# Allegro board STARRYSKY.brd (continued)
## Routing (per net, layer and track width the routed paths; a pad name or vN(x,y) marks a point on that pad's centre or on a via; arc(x,y) is an arc through that point) (continued)
PLL_CFG1: length 66.5
  TOP w0.203: U3.102 v1(50.13,55.12) ; v1(89.63,35.4) SW4.6
  ART06 w0.203: v1(50.13,55.12) 50.13,57.15 52.28,59.29 60.28,59.29 61.89,57.69 73.74,57.69 74.45,56.98 76.03,56.98 76.56,57.51 83.06,57.51 90.8,49.77 90.8,45.25 90.05,44.5 90.05,35.82 v1(89.63,35.4)
PLL_CFG2: length 69.4
  TOP w0.203: v1(68.84,58.23) 68.51,57.9 68.51,54.32 68.89,53.95 71.38,53.95 72.03,53.3 72.03,50.45 72.79,49.68 75.21,49.68 75.87,50.34 78.08,50.34 80.01,48.41 80.01,46.55 82.39,44.17 82.39,40.32 84.35,38.36 v1(84.35,37.28) ; U3.103 v1(49.63,54.11) ; R21.1 SW4.7 88.36,33.14 87.8,32.58 v1(86.13,32.58)
  ART03 w0.203: v1(84.35,37.28) 84.88,36.75 84.88,33.83 v1(86.13,32.58)
  ART06 w0.203: v1(68.84,58.23) 68.24,58.83 62.58,58.83 60.89,60.52 52.51,60.52 49.63,57.64 v1(49.63,54.11)
PROG_SEL: length 31.1
  TOP w0.203: U7.6 47.69,11.32 ; 47.69,11.32 47.69,14.28 47.02,14.95 44.9,14.95 44.27,14.33 SW8.2 44.27,12.5 43.63,11.86 U9.6 ; 47.69,11.32 v1(47.7,11.31) ; U10.6 v1(42.87,8.55) ; U12.6 v1(42.87,5.78) 42.87,6.06 43.13,6.31 46.13,6.31 46.66,5.78 U11.6 48.53,5.78 49.36,6.61 49.36,8.02 48.77,8.61 v1(47.79,8.61) 47.72,8.55 U14.6
  ART03 w0.203: v1(47.79,8.61) 46.86,9.54 46.86,10.93 47.24,11.31 v1(47.7,11.31) ; v1(42.87,8.55) 42.34,8.01 42.34,6.32 v1(42.87,5.78)
PS2_CLK: length 11.4
  TOP w0.203: U25.4 62.06,70.83 61.63,70.4 59.97,70.4 59.44,70.93 57.38,70.93 56.7,70.25 56.7,67.41 57.72,66.39 U45.4
PS2_DAT: length 8.4
  TOP w0.203: U25.5 v1(65.03,70.83) ; U44.4 v1(61.12,65.94)
  ART03 w0.203: v1(61.12,65.94) 63.03,67.85 63.03,69.28 64.58,70.83 v1(65.03,70.83)
PS_MIO2: length 5.2
  TOP w0.203: R82.2 v1(27.28,50.69)
  BOTTOM w0.203: v1(27.28,50.69) 27.77,50.2 27.77,47.79 28.4,47.15 J25.A32
PS_MIO3: length 4.8
  TOP w0.203: R80.2 v1(27.28,49.69)
  BOTTOM w0.203: v1(27.28,49.69) 27.28,47.52 28.04,46.75 J25.A31
PS_MIO4: length 28.6
  TOP w0.203: SW13.3 v1(32.55,33.56) 32.07,34.04 30.91,34.04 30.46,33.59 30.46,30.88 32.12,29.22 R67.1
  ART03 w0.203: v1(27.64,46.49) 29.31,46.49 31.59,44.21 31.59,34.52 v1(32.55,33.56)
  BOTTOM w0.203: J25.A30 27.77,46.35 v1(27.64,46.49)
PS_MIO5: length 21.3
  TOP w0.203: R66.1 32.52,30.22 31.28,31.46 SW13.4 v1(31.28,33.56)
  ART03 w0.203: v1(27.94,44.95) 29.92,44.95 30.82,44.05 30.82,34.02 v1(31.28,33.56)
  BOTTOM w0.203: v1(27.94,44.95) 28.55,45.55 J25.A28
PS_MIO6: length 6.6
  TOP w0.203: R79.2 v1(31.75,49.66)
  BOTTOM w0.203: v1(31.75,49.66) 31.75,48.87 29.76,46.89 29.76,45.36 29.56,45.15 J25.A27
PS_MIO7: length 8
  TOP w0.203: R78.2 v1(33.55,49.66)
  BOTTOM w0.203: v1(33.55,49.66) 33.12,49.23 32.77,49.23 30.21,46.67 30.21,45.26 29.71,44.75 J25.A26
PS_MIO8: length 10.8
  TOP w0.203: R76.2 v1(36.17,49.66)
  BOTTOM w0.203: J25.A25 29.93,44.35 30.68,45.1 30.68,46.51 32.51,48.34 34.84,48.34 v1(36.17,49.66)
PS_MIO28: length 11.8
  TOP w0.203: v1(26.58,46.71) 27.04,46.71 27.26,46.93 27.26,48.87 27.05,49.07 26.18,49.07 25.97,48.86 25.97,46.55 25.54,46.12 U23.7
  BOTTOM w0.203: J25.B23 26.16,43.55 26.39,43.78 26.39,45.17 27.02,45.8 27.02,46.27 v1(26.58,46.71)
PS_MIO29: length 12.1
  TOP w0.203: v1(23.64,41.6) 23.64,41.79 23.66,41.81 U23.31
  BOTTOM w0.203: J25.B22 23.89,43.15 23.74,43.01 22.67,43.01 22.47,42.8 22.47,42.3 22.27,42.09 21.86,42.09 21.66,42.3 21.66,42.94 21.45,43.14 20.96,43.14 20.77,42.95 20.77,41.41 21.07,41.11 23.15,41.11 v1(23.64,41.6)
PS_MIO30: length 13.7
  TOP w0.203: U23.29 v1(22.66,41.61)
  BOTTOM w0.203: v1(22.66,41.61) 23.17,42.12 23.97,42.12 24.23,41.85 24.23,41.37 23.58,40.72 23.58,40.43 23.29,40.13 22.91,40.13 22.9,40.14 22.81,40.14 22.51,40.44 21.82,40.44 21.61,40.22 21.61,39.91 21.84,39.68 23.95,39.68 24.66,40.38 24.66,42.49 24.92,42.75 J25.B21
PS_MIO31: length 14.1
  TOP w0.203: U23.2 25.43,43.62 25.55,43.49 25.55,41.72 26.17,41.11 26.5,41.11 26.74,41.35 26.74,41.65 25.98,42.41 25.98,43.53 26.12,43.68 26.57,43.68 26.82,43.42 v1(26.82,42.96)
  BOTTOM w0.203: v1(26.82,42.96) 27.15,43.29 27.15,43.54 27.44,43.83 27.44,44.89 27.24,45.08 26.97,45.08 26.77,44.89 26.77,43.63 26.36,43.22 26.36,42.56 26.16,42.35 J25.B20
PS_MIO32: length 11.8
  TOP w0.203: U23.3 26.8,44.12 27.32,43.6 27.32,42.73 27.02,42.43 27.02,42.06 27.23,41.84 27.63,41.84 27.95,42.16 v1(27.95,42.99)
  BOTTOM w0.203: J25.B18 26.17,41.55 27.49,42.88 27.49,43.26 27.86,43.63 27.86,44.12 27.99,44.26 28.19,44.26 28.32,44.12 28.32,43.36 v1(27.95,42.99)
PS_MIO33: length 11.7
  TOP w0.203: U23.4 27,44.62 28.4,43.22 28.4,41.99 27.67,41.25 v1(27.21,41.25)
  BOTTOM w0.203: J25.B17 26.42,41.15 27.77,42.51 28.1,42.51 28.3,42.31 28.3,41.89 27.67,41.25 v1(27.21,41.25)
PS_MIO34: length 12.7
  TOP w0.203: U23.5 27,45.12 28.77,43.35 28.77,41.72 v1(27.9,40.86)
  BOTTOM w0.203: J25.B16 27.32,40.75 27.65,40.43 27.65,39.51 27.81,39.35 28.13,39.35 28.33,39.55 28.33,40.43 v1(27.9,40.86)
PS_MIO35: length 11.7
  TOP w0.203: U23.6 26.17,45.62 26.3,45.49 27.18,45.49 27.26,45.41 28.21,45.41 28.46,45.15 28.46,44.53 29.15,43.85 29.15,41.25 28.14,40.25 v1(27.18,40.25)
  BOTTOM w0.203: J25.B15 26.62,40.35 26.72,40.25 v1(27.18,40.25)
PS_MIO36: length 11.8
  TOP w0.203: v1(26.81,39.55) 29.06,39.55 29.2,39.41 29.2,38.09 29.05,37.94 28.36,37.94 28.16,38.14 28.16,38.93 27.95,39.13 27.55,39.13 27.34,38.93 27.34,38.14 27.14,37.94 26.19,37.94 25.94,38.19 25.94,39.08 26.1,39.24 R99.1
  BOTTOM w0.203: J25.B13 v1(26.81,39.55)
PS_MIO37: length 12.2
  TOP w0.203: v1(24.47,48.13) 24.16,47.81 U23.9
  ART03 w0.203: v1(24.86,38.98) 24.86,44.67 24.66,44.87 24.35,44.87 24.14,45.08 24.14,45.48 24.35,45.69 24.66,45.69 24.86,45.89 24.86,46.44 24.37,46.93 24.37,47.22 24.47,47.32 v1(24.47,48.13)
  BOTTOM w0.203: v1(24.86,38.98) 25.03,39.15 J25.B12
PS_MIO38: length 13.4
  TOP w0.203: U23.10 23.66,48 v1(23.82,48.16)
  ART03 w0.203: v1(26.53,38.75) 25.67,39.62 25.67,47.82 24.83,48.66 24.33,48.66 v1(23.82,48.16)
  BOTTOM w0.203: J25.B11 v1(26.53,38.75)
PS_MIO39: length 13
  TOP w0.203: v1(22.32,48.16) 22.16,48 U23.13
  ART03 w0.203: v1(24.69,38.35) 24.23,38.35 23.6,38.98 23.6,40.85 23.15,41.3 23.15,46.71 22.32,47.54 v1(22.32,48.16)
  BOTTOM w0.203: J25.B10 v1(24.69,38.35)
PS_MIO40: length 10
  TOP w0.203: R87.1 v1(25.15,32.5)
  BOTTOM w0.203: J25.B8 26.63,37.55 27.34,36.85 27.34,34.99 28.32,34.01 28.32,33.09 27.73,32.5 v1(25.15,32.5)
PS_MIO41: length 11.3
  TOP w0.203: U19.6 v1(20.84,31.85)
  BOTTOM w0.203: v1(20.84,31.85) 19.83,32.86 19.83,34.62 22.37,37.15 J25.B7
PS_MIO42: length 8.9
  TOP w0.203: U19.8 v1(20.84,33.15)
  BOTTOM w0.203: J25.B6 22.75,36.75 20.35,34.35 20.35,33.64 v1(20.84,33.15)
PS_MIO43: length 8.8
  TOP w0.203: U19.9 v1(20.84,33.8)
  BOTTOM w0.203: J25.B5 23.39,36.35 22.02,34.99 22.02,34.7 22.51,34.22 22.51,33.93 22.22,33.64 21.93,33.64 21.45,34.13 21.16,34.13 v1(20.84,33.8)
PS_MIO44: length 9.9
  TOP w0.203: U19.4 v1(20.84,30.55)
  BOTTOM w0.203: J25.B3 26.25,35.55 26.46,35.35 26.46,34.65 22.35,30.55 v1(20.84,30.55)
PS_MIO45: length 9.8
  TOP w0.203: U19.5 v1(20.84,31.2)
  BOTTOM w0.203: J25.B2 24.79,35.15 23.28,33.65 23.28,33.36 23.54,33.1 23.54,32.82 23.25,32.53 22.96,32.53 22.71,32.78 22.42,32.78 22.13,32.5 22.13,32.21 22.39,31.95 22.39,31.67 22.1,31.38 21.81,31.38 21.56,31.63 21.27,31.63 v1(20.84,31.2)
PS_MIO46: length 12.7
  TOP w0.203: R92.2 v1(21.1,40.59) 21.1,41.07 21.66,41.64 U23.27
  ART03 w0.203: v1(21.1,40.59) 21.6,40.09 21.6,36.55 23.85,34.31 v1(25.36,34.31)
  BOTTOM w0.203: v1(25.36,34.31) 25.36,34.58 25.53,34.75 J25.B1
PS_MIO47: length 23.2
  ART03 w0.203: v1(14.24,35.07) 16.62,32.7 24.56,32.7 28,36.14 v1(28,37.41)
  BOTTOM w0.203: v1(14.24,35.07) 14.7,35.07 15.48,35.86 15.48,38.17 15.11,38.55 J7.9 ; v1(28,37.41) 28.15,37.55 J25.A8
PS_MIO48: length 31.1
  TOP w0.203: U20.5 v1(19.67,61.91)
  ART06 w0.203: v1(19.67,61.91) 20.2,61.91 26.02,56.09 26.02,49.5 28.96,46.56 28.96,41.98 30.32,40.63 v1(30.32,37.91)
  BOTTOM w0.203: v1(30.32,37.91) 29.56,37.15 J25.A7
PS_MIO49: length 31.9
  TOP w0.203: U20.4 v1(19.67,60.32)
  ART06 w0.203: v1(30.36,36.94) 29.73,36.94 29.2,37.47 29.2,40.92 28.43,41.7 28.43,46.36 27.56,47.22 26.41,47.22 25.54,48.1 25.54,55.84 21.06,60.32 v1(19.67,60.32)
  BOTTOM w0.203: J25.A6 29.72,36.75 29.9,36.94 v1(30.36,36.94)
PS_MIO51: length 20.5
  TOP w0.203: R83.2 19.39,24.29 19.6,24.49 Q1.1 19.7,25.23 20.23,25.76 20.23,27.4 20.77,27.94 24.88,27.94 26.56,29.62 26.56,34.15 28.29,35.88 29.36,35.88 v1(29.69,35.55)
  BOTTOM w0.203: J25.A3 v1(29.69,35.55)
PS_MIO52: length 15.4
  TOP w0.203: v1(28.34,35.15) 27.99,34.8 27.99,34.78 27.47,34.27 27.47,29.59 26.89,29 R85.1 SW15.3 SW15.4
  BOTTOM w0.203: J25.A2 v1(28.34,35.15)
PS_MIO53: length 19.5
  TOP w0.203: v1(29.69,34.75) 28.8,33.87 28.8,25.89 26.89,23.97 R88.1 SW16.3 SW16.4
  BOTTOM w0.203: J25.A1 v1(29.69,34.75)
PS_SD_CLK: length 2.1
  TOP w0.203: U19.14 14.67,32.5 R70.1
PS_SD_CMD: length 19
  TOP w0.203: U19.15 15.02,31.85 v1(14.24,31.07)
  BOTTOM w0.203: v1(14.24,31.07) 13.53,31.07 12.47,32.13 12.47,43.75 13.87,45.15 J7.3
PS_SD_D0: length 17.8
  TOP w0.203: v1(14.24,33.07) 15.08,33.07 15.16,33.15 U19.13
  BOTTOM w0.203: J7.7 15.69,40.75 15.88,40.94 18.35,40.94 19.77,39.52 19.77,35.95 16.89,33.07 v1(14.24,33.07)
PS_SD_D1: length 20.5
  TOP w0.203: v1(14.24,34.07) 14.89,34.07 15.16,33.8 U19.12
  BOTTOM w0.203: J7.8 15.69,39.65 15.98,39.94 18.3,39.94 18.91,39.32 18.91,38.71 18.71,38.51 17.78,38.51 17.58,38.31 17.58,37.9 17.78,37.7 18.71,37.7 18.91,37.49 18.91,37.16 18.02,36.27 17.73,36.27 16.67,37.33 16.39,37.33 16.1,37.04 16.1,36.75 17.16,35.7 17.16,35.41 16.73,34.98 16.73,34.52 16.16,33.95 14.82,33.95 14.7,34.07 v1(14.24,34.07)
PS_SD_D2: length 24.2
  TOP w0.203: U19.17 15.45,30.55 14.83,29.93 14.83,29.67 v1(14.24,29.07)
  BOTTOM w0.203: v1(14.24,29.07) 13.78,29.07 11.48,31.37 11.48,44.9 13.93,47.35 J7.1
PS_SD_D3: length 21.5
  TOP w0.203: U19.16 15.37,31.2 v1(14.24,30.07)
  BOTTOM w0.203: J7.2 13.93,46.25 11.96,44.28 11.96,31.77 13.66,30.07 v1(14.24,30.07)
PS_SRST_B: length 21.8
  TOP w0.203: v1(41.01,28.98) R69.2 41.52,29.6 41.79,29.86 SW12.1 SW12.2 37.63,30.35 C83.1
  BOTTOM w0.203: v1(41.01,28.98) 43.91,28.98 44.3,29.37 53.22,29.37 53.71,28.88 J24.B49
PS_UART_DN: length 8.3
  TOP w0.203: J9.B7 6.37,61.76 6.17,61.56 6.17,60.97 6.37,60.76 J9.A7 8.57,60.76 8.67,60.86 8.96,60.86 9.31,60.51 U22.5
PS_UART_DP: length 7.7
  TOP w0.203: J9.B6 v1(6.64,60.26) ; v1(6.64,61.26) J9.A6 8.57,61.26 8.67,61.17 9.08,61.17 9.43,60.82 11.13,60.82 11.33,61.01 U22.4
  ART03 w0.203: v1(6.64,61.26) v1(6.64,60.26)
PS_USB_DN: length 13.4
  TOP w0.203: U23.19 19.24,45.62 19.04,45.81 19.04,46.01 17.84,47.21 12.35,47.21 12.09,46.95 12.09,45.54 12.29,45.34 12.58,45.34 12.78,45.54 12.78,45.98 12.99,46.19 J10.2
PS_USB_DP: length 14.2
  TOP w0.203: U23.18 19.37,46.12 17.97,47.52 12.22,47.52 11.78,47.08 11.78,45.42 12.17,45.03 12.58,45.03 12.78,44.83 12.78,44.39 12.99,44.19 J10.3
SOC_PS2_CLK: length 37.4
  TOP w0.203: U45.3 57.72,63.33 59.23,61.82 62.18,61.82 66.38,57.62 66.38,53.26 61.88,48.76 61.88,39.29 63.79,37.38 U3.45
SOC_PS2_DAT: length 35
  TOP w0.203: U3.46 64,37.88 62.4,39.48 62.4,48.57 66.88,53.05 66.88,57.98 62.6,62.26 60.87,62.26 60.26,62.88 U44.3
SOC_SDRAM_ADDR00: length 45.3
  TOP w0.203: U3.115 v1(43.75,47.88) ; U5.H7 v1(75.33,31.68)
  ART06 w0.203: v1(75.33,31.68) 75.88,32.23 75.88,32.73 75.64,32.97 74.48,32.97 74.24,33.2 69.6,33.2 69.32,32.92 68.63,32.92 68.05,33.5 67.46,33.5 67.09,33.87 62.36,33.87 53.34,42.89 44.37,42.89 42.73,44.53 42.73,45.48 43.75,46.5 v1(43.75,47.88)
SOC_SDRAM_ADDR01: length 37.9
  TOP w0.203: U3.10 51.63,30.32 51.43,30.11 50.76,30.11 v1(48.81,28.17) ; v1(77.08,30.77) 76.92,30.92 76.92,31.68 U5.H8
  ART03 w0.203: v1(48.81,28.17) 50.66,26.32 73.92,26.32 77.08,29.47 v1(77.08,30.77)
SOC_SDRAM_ADDR02: length 35
  TOP w0.203: U3.11 52.13,30.24 51.57,29.67 51.03,29.67 v1(49.51,28.16) ; v1(76.59,30.21) 76.59,31.22 U5.J8
  ART03 w0.203: v1(76.59,30.21) 76.59,29.75 73.69,26.85 50.81,26.85 v1(49.51,28.16)
SOC_SDRAM_ADDR03: length 32.8
  TOP w0.203: U3.12 52.63,30.21 51.64,29.23 51.42,29.23 v1(50.31,28.11) ; U5.J7 v1(76.13,30.88)
  ART03 w0.203: v1(76.13,30.88) 76.13,30.2 73.37,27.44 50.98,27.44 v1(50.31,28.11)
SOC_SDRAM_ADDR04: length 28.5
  TOP w0.203: v1(51.12,28.12) 53.13,30.12 U3.13 ; v1(72.18,30.35) 72.18,30.93 U5.J3
  ART06 w0.203: v1(72.18,30.35) 72.18,29.68 69.5,27 52.24,27 v1(51.12,28.12)
SOC_SDRAM_ADDR05: length 26.4
  TOP w0.203: v1(71.38,30.35) 71.38,30.93 U5.J2 ; v1(51.91,28.08) 52.24,28.4 52.24,28.67 53.63,30.07 U3.14
  ART06 w0.203: v1(51.91,28.08) 52.11,27.87 52.11,27.86 52.38,27.59 69.41,27.59 71.38,29.56 v1(71.38,30.35)
SOC_SDRAM_ADDR06: length 25.1
  TOP w0.203: U3.15 54.13,30.27 53.99,30.13 53.99,29.7 v1(53.77,29.47) ; U5.H3 v1(72.93,32.48)
  ART06 w0.203: v1(53.77,29.47) 53.77,30.92 55.92,33.08 67.62,33.08 68.29,32.42 69.63,32.42 69.99,32.78 70.71,32.78 71.54,31.95 72.4,31.95 v1(72.93,32.48)
SOC_SDRAM_ADDR07: length 27.2
  TOP w0.203: v1(73.77,31.68) 72.07,31.68 71.73,32.02 U5.H2 ; v1(54.45,29.94) 54.63,30.12 U3.16
  ART03 w0.203: v1(67.21,32.61) 67.53,32.29 69.37,32.29 70.26,33.18 73.96,33.18 74.27,32.87 74.27,32.18 v1(73.77,31.68)
  ART06 w0.203: v1(54.45,29.94) 54.45,30.75 56.31,32.61 v1(67.21,32.61)
SOC_SDRAM_ADDR08: length 20
  TOP w0.203: v1(67.47,30.62) 67.79,30.29 69.14,30.29 U5.H1 ; v1(55.37,30.01) 55.13,30.25 U3.17
  ART06 w0.203: v1(55.37,30.01) 55.37,30.65 56.85,32.12 66.42,32.12 67.47,31.07 v1(67.47,30.62)
SOC_SDRAM_ADDR09: length 20.1
  TOP w0.203: v1(56.08,30.01) 55.63,30.46 U3.18 ; U5.G3 72.13,32.48 v1(72.13,32.4)
  ART03 w0.203: v1(72.13,32.4) 71.18,31.46 66.16,31.46 v1(65.58,30.88)
  ART06 w0.203: v1(65.58,30.88) 64.81,31.64 57.25,31.64 56.08,30.47 v1(56.08,30.01)
SOC_SDRAM_ADDR10: length 25.1
  TOP w0.203: U5.H9 v1(77.73,31.68) ; U3.23 58.13,29.99 58.77,29.35 58.77,29.19 v1(58.81,29.15)
  ART03 w0.203: v1(77.73,31.68) 77.37,32.04 76.46,32.04 75.54,31.12 75.54,30.4 73.12,27.98 59.39,27.98 58.81,28.56 v1(58.81,29.15)
SOC_SDRAM_ADDR11: length 22
  TOP w0.203: U5.G2 72.13,33.28 73.25,33.28 v1(73.78,32.75) ; U3.24 v1(58.63,30.15)
  ART06 w0.203: v1(58.63,30.15) 59.14,30.66 64.27,30.66 66.09,28.84 68.31,28.84 68.79,29.32 68.79,29.94 70.21,31.36 72.73,31.36 73.46,32.09 73.46,32.42 v1(73.78,32.75)
SOC_SDRAM_ADDR12: length 18.2
  TOP w0.203: v1(70.34,32.35) 70.39,32.35 U5.G1 ; v1(59.16,29.68) 59.16,30.14 59.13,30.17 U3.25
  ART06 w0.203: v1(59.16,29.68) 58.41,29.68 58.11,29.98 58.11,30.47 58.82,31.17 64.5,31.17 65.7,29.98 67.97,29.98 v1(70.34,32.35)
SOC_SDRAM_BA0: length 20.1
  TOP w0.203: U3.26 v1(59.63,30.15) ; U5.G7 v1(75.33,32.48)
  ART06 w0.203: v1(75.33,32.48) 73.68,30.83 71.23,30.83 68.59,28.2 64.31,28.2 62.81,29.7 60.09,29.7 v1(59.63,30.15)
SOC_SDRAM_BA1: length 24.5
  TOP w0.203: U5.G8 v1(76.93,32.48) ; v1(59.56,29.15) 59.88,29.47 59.88,29.72 60.13,29.97 U3.27
  ART03 w0.203: v1(59.56,29.15) 59.56,28.68 59.76,28.49 72.93,28.49 74.8,30.35 74.8,32.81 75,33.01 75.62,33.01 76.15,32.48 v1(76.93,32.48)
SOC_SDRAM_CAS: length 40.8
  TOP w0.203: U3.119 43.93,45.88 43.25,45.2 v1(43.25,44.74) ; U5.F7 v1(76.13,33.28)
  ART06 w0.203: v1(43.25,44.74) 43.71,44.74 43.88,44.57 54.07,44.57 62.79,35.85 70.39,35.85 71.72,34.53 73.14,34.53 74.06,33.6 75.8,33.6 v1(76.13,33.28)
SOC_SDRAM_CKE: length 33
  TOP w0.203: U3.124 46.26,43.38 46.26,43.38 46.51,43.38 v1(46.97,43.38) ; U5.F3 v1(72.93,34.08)
  ART06 w0.203: v1(72.93,34.08) 72.45,33.61 70.43,33.61 69.67,34.36 68.49,34.36 68.05,33.92 67.67,33.92 67.23,34.36 62.7,34.36 53.68,43.38 v1(46.97,43.38)
SOC_SDRAM_CLK: length 31
  TOP w0.203: U3.123 v1(46.36,43.88) ; U5.F2 v1(71.33,34.08)
  ART06 w0.203: v1(46.36,43.88) 46.81,43.88 46.98,44.04 53.83,44.04 63.04,34.84 68.05,34.84 68.06,34.82 69.9,34.82 70.64,34.08 v1(71.33,34.08)
SOC_SDRAM_CS: length 45.2
  TOP w0.203: U5.G9 v1(77.73,32.48) ; U3.121 46.65,44.88 48.11,46.34 v1(48.11,46.8)
  ART06 w0.203: v1(48.11,46.8) 54.72,46.8 63.73,37.8 67.91,37.8 69.7,39.59 71.22,39.59 72.14,38.67 73.15,38.67 74.03,37.79 77.83,37.79 78.25,37.37 78.25,33.01 v1(77.73,32.48)
SOC_SDRAM_DATA00: length 27.1
  TOP w0.203: v1(77.07,38.28) 77.07,38.22 U5.A8 ; U3.28 60.63,29.91 60.33,29.61 v1(60.33,29.15)
  ART03 w0.203: v1(60.33,29.15) 60.33,33.09 66.86,39.62 71.27,39.62 72.21,38.67 73.03,38.67 73.42,38.28 v1(77.07,38.28)
SOC_SDRAM_DATA01: length 24.3
  TOP w0.203: U3.29 v1(61.13,30.15) ; U5.B9 v1(77.73,37.28)
  ART03 w0.203: v1(77.73,37.28) 77.17,37.84 73.3,37.84 73.11,37.65 72.46,37.65 71.57,38.53 66.47,38.53 61.13,33.19 v1(61.13,30.15)
SOC_SDRAM_DATA02: length 24.8
  TOP w0.203: U3.30 v1(61.63,29.23) ; U5.B8 v1(76.93,37.28)
  ART03 w0.203: v1(61.63,29.23) 61.63,32.74 66.43,37.54 68.41,37.54 68.87,38 69.88,38 70.69,37.2 71.34,37.2 71.82,36.72 72.18,36.72 72.64,37.18 74.35,37.18 74.63,36.9 75.07,36.9 75.58,37.41 76.34,37.41 76.47,37.28 v1(76.93,37.28)
SOC_SDRAM_DATA03: length 22.3
  TOP w0.203: U3.31 v1(62.13,30.15) ; U5.C9 v1(77.73,36.48)
  ART03 w0.203: v1(62.13,30.15) 62.13,32.37 66.33,36.58 69.73,36.58 70.31,36 72.38,36 72.9,36.51 73.27,36.51 73.37,36.41 75.34,36.41 75.87,36.94 76.31,36.94 76.44,36.8 77.4,36.8 v1(77.73,36.48)
SOC_SDRAM_DATA04: length 21.5
  TOP w0.203: U3.32 v1(62.63,29.23) ; U5.C8 v1(76.13,36.48)
  ART03 w0.203: v1(62.63,29.23) 62.63,32.03 66.44,35.84 69.8,35.84 70.09,35.55 75.81,35.55 76.19,35.93 76.19,36.41 v1(76.13,36.48)
SOC_SDRAM_DATA05: length 20.4
  TOP w0.203: U5.D9 v1(77.73,35.68) ; U3.33 v1(63.13,30.15)
  ART03 w0.203: v1(63.13,30.15) 63.13,31.72 66.24,34.84 69.27,34.84 69.4,34.7 69.69,34.7 70.08,35.09 76.12,35.09 76.56,35.53 76.56,35.93 76.84,36.2 77.21,36.2 v1(77.73,35.68)
SOC_SDRAM_DATA06: length 19.2
  TOP w0.203: v1(64.17,30.11) 63.77,30.11 63.63,30.25 U3.34 ; v1(77,35.69) 76.94,35.69 U5.D8
  ART03 w0.203: v1(77,35.69) 77,35.19 76.39,34.59 70.9,34.59 69.14,32.83 68.01,32.83 67.68,33.16 65.28,33.16 64.17,32.06 v1(64.17,30.11)
SOC_SDRAM_DATA07: length 23.9
  TOP w0.203: U5.E9 78.24,33.57 78.24,33.2 78.57,32.87 78.89,32.87 79.38,32.38 79.38,30.82 78.15,29.59 76.5,29.59 76.25,29.84 65.83,29.84 65.12,30.55 65.12,32.37 64.81,32.68 64.42,32.68 64.13,32.39 U3.35
SOC_SDRAM_DATA08: length 12.2
  TOP w0.203: U3.44 65.49,36.88 64.94,36.32 64.94,33.7 66.54,32.1 68.55,32.1 U5.E1
SOC_SDRAM_DATA09: length 5.6
  TOP w0.203: U5.D2 71.33,35.68 70.74,35.68 70.04,36.38 U3.43
SOC_SDRAM_DATA10: length 4.5
  TOP w0.203: U5.D1 70.52,35.28 69.92,35.88 U3.42
SOC_SDRAM_DATA11: length 6.2
  TOP w0.203: U5.C2 v1(71.33,36.48) ; U3.41 v1(68.05,35.38)
  BOTTOM w0.203: v1(68.05,35.38) 68.61,34.82 69.67,34.82 v1(71.33,36.48)
SOC_SDRAM_DATA12: length 5.8
  TOP w0.203: U3.40 68.32,34.88 v1(68.81,35.37) ; U5.C1 v1(70,37)
  BOTTOM w0.203: v1(68.81,35.37) 69.68,36.24 69.68,36.68 v1(70,37)
SOC_SDRAM_DATA13: length 7.9
  TOP w0.203: U3.39 v1(67.86,34.38) ; U5.B2 v1(72.13,37.28)
  BOTTOM w0.203: v1(72.13,37.28) 72.13,36.25 70.25,34.38 v1(67.86,34.38)
SOC_SDRAM_DATA14: length 10.4
  TOP w0.203: U3.38 68.29,33.88 68.3,33.89 v1(68.75,33.89) ; U5.B1 70.27,37.54 v1(69.25,37.54)
  BOTTOM w0.203: v1(68.75,33.89) 68.3,33.89 68.29,33.88 67.5,33.88 66.98,34.39 66.98,35.7 68.83,37.54 v1(69.25,37.54)
SOC_SDRAM_DATA15: length 13.9
  TOP w0.203: U3.37 v1(69.04,33.38) ; U5.A2 v1(71.33,38.08)
  BOTTOM w0.203: v1(69.04,33.38) 67.27,33.38 66.45,34.2 66.45,36.05 68.93,38.54 70.87,38.54 v1(71.33,38.08)
SOC_SDRAM_DQM0: length 38.3
  TOP w0.203: U5.E8 v1(76.93,34.08) ; U3.117 v1(46.36,46.88)
  ART06 w0.203: v1(76.93,34.08) 76.07,34.94 74.29,34.94 73.62,35.61 72.85,35.61 70.97,37.5 69.85,37.5 69.15,36.79 63.25,36.79 54.35,45.68 47.55,45.68 v1(46.36,46.88)
SOC_SDRAM_DQM1: length 33.6
  TOP w0.203: U3.118 46.48,46.38 46.53,46.42 46.55,46.42 47.53,47.41 50.71,47.41 66.43,31.7 68.95,31.7 U5.F1
SOC_SDRAM_RAS: length 36.5
  TOP w0.203: U3.122 47.42,44.38 v1(48.18,45.14) ; U5.F8 v1(76.13,34.08)
  ART06 w0.203: v1(76.13,34.08) 74.33,34.08 73.32,35.09 71.93,35.09 70.71,36.3 63.06,36.3 54.23,45.14 v1(48.18,45.14)
SOC_SDRAM_WE: length 40.7
  TOP w0.203: v1(47.51,46.63) 46.26,45.38 U3.120 ; U5.F9 v1(77.73,33.28)
  ART06 w0.203: v1(47.51,46.63) 47.9,46.23 54.54,46.23 63.44,37.33 68.22,37.33 69.5,38.6 71.48,38.6 74.54,35.55 76.18,35.55 77.73,34.01 v1(77.73,33.28)
SOC_SPI_CLK: length 88.1
  TOP w0.203: U11.3 v1(45.68,4.48) ; v1(54.17,18.19) 54.17,18.65 54.04,18.79 U13.4 ; R20.2 v1(63.27,56.34)
  ART03 w0.203: v1(54.17,18.19) 53.85,17.87 51.18,17.87 50.35,18.7 44.69,18.7 43.26,20.12 43.26,30 45.93,32.67 50.3,32.67 59.98,42.35 64.52,42.35 66.02,43.85 66.02,52.43 63.27,55.19 v1(63.27,56.34)
  BOTTOM w0.203: v1(54.17,18.19) 54.5,17.87 54.5,17.87 55.14,17.23 55.14,15.04 54.29,14.18 54.29,8.73 50.04,4.48 v1(45.68,4.48)
SOC_SPI_CS0: length 69.6
  TOP w0.203: R22.2 v1(64.27,56.34) ; U10.3 v1(40.93,7.25)
  ART03 w0.203: v1(45.03,19.24) 44.29,19.98 44.29,29.57 46.9,32.18 51.14,32.18 52.6,33.63 52.83,33.63 61.02,41.82 64.7,41.82 66.62,43.74 66.62,52.84 64.27,55.19 v1(64.27,56.34)
  ART06 w0.203: v1(45.03,19.24) 45.03,16.75 42.24,13.96 42.24,13.56 39.6,10.92 39.6,7.3 39.97,6.93 40.61,6.93 v1(40.93,7.25)
SOC_SPI_CS1: length 63.7
  TOP w0.203: R24.2 v1(65.27,56.34) ; U13.1 v1(55.99,19.19)
  ART03 w0.203: v1(55.99,19.19) 55.53,19.19 55.07,18.74 53.25,18.74 52.24,19.75 47.85,19.75 45.62,21.98 45.62,26.48 44.77,27.33 44.77,29.37 47.02,31.62 51.85,31.62 52.75,32.51 52.75,32.86 53.01,33.13 53.36,33.13 61.57,41.34 65.53,41.34 67.15,42.95 67.15,53.24 65.27,55.12 v1(65.27,56.34)
SOC_SPI_MISO: length 64.6
  TOP w0.203: U14.3 v1(44.92,6.8)
  ART03 w0.203: v1(53.39,20.3) 52.99,20.69 52.67,20.69 49.53,23.83 49.53,24.29 49.23,24.59 48.68,24.59 48.26,25 48.26,25.61 46.41,27.46 46.41,29.52 47.37,30.49 52.61,30.49 62.03,39.91 66.14,39.91 68.17,41.93 68.17,46.66 v1(69.48,47.97)
  ART06 w0.203: v1(53.39,20.3) 53.39,17.62 52.74,16.97 52.74,16.26 51.32,14.85 49.61,14.85 48.31,13.54 48.31,10.19 v1(44.92,6.8)
SOC_SPI_MOSI: length 76.4
  TOP w0.203: U12.3 v1(40.93,4.48) ; U13.3 v1(54.69,19.19)
  ART03 w0.203: v1(69.48,48.97) 67.66,47.15 67.66,42.45 65.63,40.42 65.14,40.42 64.73,40.84 62.1,40.84 52.31,31.05 47.33,31.05 45.35,29.07 45.35,27.59 46.99,25.95 46.99,25 47.4,24.59 47.91,24.59 48.26,24.24 48.26,23.57 51.57,20.26 52.55,20.26 53.62,19.19 v1(54.69,19.19)
  ART06 w0.203: v1(54.69,19.19) 54.69,17.83 54.04,17.18 54.04,16.26 52.13,14.36 49.96,14.36 49.03,13.43 49.03,8.96 48,7.93 47.56,7.93 46.11,6.48 45.66,6.48 43.66,4.48 v1(40.93,4.48)
SOC_UART_RX: length 44.5
  TOP w0.203: U3.47 v1(64.39,38.38) ; U15.4 v1(64.45,20.41)
  ART03 w0.203: v1(64.45,20.41) 63.99,20.41 59.81,24.6 51.19,24.6 50.98,24.8 50.98,25.09 48.54,27.53 48.02,27.53 47.65,27.9 47.65,28.49 48.43,29.28 52.88,29.28 54.18,30.58 54.73,30.58 62.53,38.38 v1(64.39,38.38)
SOC_UART_TX: length 45.2
  TOP w0.203: U3.48 v1(65.4,38.88) ; U15.5 v1(62.86,20.41)
  ART03 w0.203: v1(65.4,38.88) 61.83,38.88 52.88,29.93 47.57,29.93 46.96,29.32 46.96,27.76 49.53,25.19 49.53,24.99 49.79,24.72 50.16,24.72 50.8,24.08 50.8,23.71 51.03,23.48 59.79,23.48 v1(62.86,20.41)
SOC_VGA_B0: length 29.5
  TOP w0.203: U3.61 v1(64.47,45.38) ; U37.3 v1(50.12,63.25)
  ART03 w0.203: v1(64.47,45.38) 61.14,48.71 61.14,53.97 61.13,53.99 61.13,57.01 55.77,62.36 51,62.36 v1(50.12,63.25)
SOC_VGA_B1: length 32.5
  TOP w0.203: U3.62 v1(65.4,45.88) ; U38.3 v1(47.58,63.25)
  ART03 w0.203: v1(47.58,63.25) 51.88,58.94 57.16,58.94 58.5,57.6 58.88,57.6 60.25,56.24 60.25,48.57 63.94,44.88 64.73,44.88 65.08,45.23 65.08,45.56 v1(65.4,45.88)
SOC_VGA_B2: length 34.6
  TOP w0.203: U39.3 v1(45.05,63.25) ; U3.63 v1(64.39,46.38)
  ART06 w0.203: v1(45.05,63.25) 45.05,62.79 44.9,62.64 44.9,54.6 48.89,50.61 57.53,50.61 61.76,46.38 v1(64.39,46.38)
SOC_VGA_B3: length 37.1
  TOP w0.203: v1(43.03,63.32) 42.71,63.32 42.51,63.52 U40.3 ; U3.64 v1(65.4,46.88)
  ART06 w0.203: v1(43.03,63.32) 43.5,63.78 45.28,63.78 45.5,63.56 45.5,54.69 48.61,51.59 57.66,51.59 62.37,46.88 v1(65.4,46.88)
SOC_VGA_G0: length 39.6
  TOP w0.203: U34.3 v1(39.98,63.25) ; U3.57 v1(64.39,43.38)
  ART06 w0.203: v1(39.98,63.25) 39.98,62.43 42.84,59.57 42.84,53.55 47.96,48.43 55.82,48.43 60.38,43.87 63.9,43.87 v1(64.39,43.38)
SOC_VGA_G1: length 41.9
  TOP w0.203: v1(42.02,62.54) 41.56,62.54 41.35,62.75 38.06,62.75 37.44,63.37 U33.3 ; U3.58 v1(65.4,43.88)
  ART06 w0.203: v1(65.4,43.88) 64.89,44.4 64.89,44.69 64.7,44.88 64.29,44.88 64,45.17 61.06,45.17 56.73,49.5 48.52,49.5 43.83,54.19 43.83,60.73 v1(42.02,62.54)
SOC_VGA_G2: length 44.9
  TOP w0.203: U35.3 v1(34.91,63.25) ; U3.59 v1(64.39,44.38)
  ART06 w0.203: v1(34.91,63.25) 35.54,63.89 40.17,63.89 41.51,62.55 41.51,61.99 43.35,60.15 43.35,53.83 48.22,48.96 56.32,48.96 60.9,44.38 v1(64.39,44.38)
SOC_VGA_G3: length 47.7
  TOP w0.203: U36.3 v1(32.37,63.25) ; U3.60 v1(65.4,44.88)
  ART06 w0.203: v1(65.4,44.88) 65.08,45.2 65.08,45.54 64.74,45.88 61.32,45.88 57.16,50.04 48.7,50.04 44.37,54.37 44.37,61.05 41.12,64.3 40.51,64.3 40.38,64.43 33.55,64.43 v1(32.37,63.25)
SOC_VGA_HS: length 22.9
  TOP w0.203: U26.3 v1(55.19,63.25) ; U3.65 v1(64.39,47.38)
  ART03 w0.203: v1(55.19,63.25) 55.64,63.25 61.73,57.16 61.73,54.42 63.77,52.38 63.77,48.01 v1(64.39,47.38)
SOC_VGA_R0: length 53.1
  TOP w0.203: U3.49 64.93,39.38 64.93,39.38 v1(64.47,39.38) ; U29.3 v1(29.84,63.25)
  ART06 w0.203: v1(64.47,39.38) 64.02,39.38 55.52,47.88 46.09,47.88 43.29,50.68 38.46,50.68 37.38,51.76 32.11,51.76 31.6,52.27 31.6,57.35 31.95,57.7 31.95,59.77 30.09,61.62 30.09,62.53 29.84,62.79 v1(29.84,63.25)
SOC_VGA_R1: length 55.4
  TOP w0.203: U30.3 v1(27.3,63.25) ; v1(62.85,43.42) 62.85,41.27 64.25,39.88 U3.50
  ART03 w0.203: v1(27.3,63.25) 30.71,59.84 30.71,57.49 31.54,56.66 31.54,52.06 32.07,51.53 38.38,51.53 41,48.91 43.3,48.91 43.79,48.43 58.39,48.43 62.85,43.97 v1(62.85,43.42)
SOC_VGA_R2: length 57.7
  TOP w0.203: U31.3 v1(24.76,63.25) ; U3.51 v1(64.39,40.38)
  ART06 w0.203: v1(24.76,63.25) 24.76,62.13 31.11,55.78 31.11,52.08 31.94,51.26 37.21,51.26 39.28,49.19 43.03,49.19 43.51,48.71 44.21,48.71 45.53,47.38 55.14,47.38 63.64,38.88 64.74,38.88 64.98,39.12 64.98,39.8 v1(64.39,40.38)
SOC_VGA_R3: length 56.5
  TOP w0.203: v1(63.81,42.88) U3.56 ; U32.3 v1(22.23,63.25)
  ART03 w0.203: v1(63.81,42.88) 62.46,42.88 58.01,47.34 43.64,47.34 43.29,46.99 42.77,46.99 41.81,47.95 41.09,47.95 38.06,50.98 31.91,50.98 31.02,51.87 31.02,56.3 24.65,62.67 22.81,62.67 v1(22.23,63.25)
SOC_VGA_VS: length 26.1
  TOP w0.203: U3.66 v1(65.4,47.88) ; U27.3 v1(52.65,63.25)
  ART03 w0.203: v1(52.65,63.25) 53.3,63.9 57.07,63.9 57.7,63.27 57.7,61.93 62.27,57.36 62.27,54.97 64.64,52.6 64.64,48.64 v1(65.4,47.88)
SYS_RST: length 49.6
  TOP w0.203: R30.1 28.82,55.49 30.65,53.66 30.65,52.35 31.52,51.47 40.85,51.47 42.03,52.65 42.03,56.17 44.57,58.7 60.38,58.7 60.86,59.18 62.21,59.18 62.67,58.73 62.67,57.72 60.63,55.68 U3.81
USB_HOST_VBUS: length 18.6
  TOP w0.508: R90.1 v1(16.7,44) ; v1(16.51,48.69) J10.1 14.66,49.87 16.94,52.15 19.54,52.15 20.1,51.59 U21.1 18.8,50.9 C92.1 C94.1
  ART03 w0.508: v1(16.7,44) 16.02,44.69 16.02,48.19 v1(16.51,48.69)
USB_VBUS: length 1.8
  TOP w0.203: R90.2 19.17,44 19.28,44.12 U23.22
USB_XIN: length 6.4
  TOP w0.203: X2.3 18.88,38.35 C96.1 18.6,39.57 R97.2 19.21,40.9 20.32,40.9 21.16,41.74 U23.26
USB_XOUT: length 9.4
  TOP w0.203: X2.1 17.19,36.24 18.19,37.24 18.19,38.6 C100.1 17.78,39.57 R97.1 17.78,40.78 18.38,41.37 20.29,41.37 20.66,41.74 U23.25
VGA_B: length 7
  TOP w0.203: R113.2 R116.2 R117.2 R119.2 39.21,69.67 J12.3
VGA_B0: length 8.8
  TOP w0.203: R113.1 43.28,67.78 48.94,67.78 50.07,66.65 50.07,66.62 50.12,66.57 U37.4
VGA_B1: length 7.4
  TOP w0.203: U38.4 47.58,66.93 47.11,67.4 42.66,67.4 R116.1
VGA_B2: length 5.7
  TOP w0.203: R117.1 42.04,67.02 44.6,67.02 45.05,66.57 U39.4
VGA_B3: length 4
  TOP w0.203: R119.1 41.42,66.64 42.21,66.64 42.51,66.34 U40.4
VGA_G: length 7.3
  TOP w0.203: R120.2 R121.2 R122.2 R123.2 35.71,71.77 J12.2
VGA_G0: length 2.9
  TOP w0.203: R120.1 39.98,67.08 U34.4
VGA_G1: length 2.5
  TOP w0.203: U33.4 37.44,66.57 37.71,66.84 R121.1
VGA_G2: length 3.2
  TOP w0.203: U35.4 34.91,66.14 36.29,67.53 36.29,67.93 R122.1
VGA_G3: length 4.8
  TOP w0.203: U36.4 32.37,66.14 32.87,66.64 34.52,66.64 35.71,67.82 R123.1
VGA_HS: length 3.6
  TOP w0.203: U26.4 55.19,67.07 54.38,67.88 U46.5
VGA_R: length 9.1
  TOP w0.203: J12.1 32.86,72.98 31.71,71.84 R127.2 R126.2 R125.2 R124.2
VGA_R0: length 6.3
  TOP w0.203: R124.1 34.71,67.84 33.93,67.06 30.75,67.06 29.84,66.14 U29.4
VGA_R1: length 7.8
  TOP w0.203: U30.4 27.3,66.14 28.61,67.45 33.3,67.45 33.71,67.86 R125.1
VGA_R2: length 9.2
  TOP w0.203: U31.4 24.76,66.14 26.47,67.85 32.46,67.85 32.71,68.1 R126.1
VGA_R3: length 10.6
  TOP w0.203: U32.4 22.23,66.14 24.44,68.35 R127.1
VGA_VS: length 4.2
  TOP w0.203: U46.4 51.89,67.88 52.65,67.12 U27.4
N00440: length 2.8
  TOP w0.254: R9.1 R1.2 U1.7
N86942: length 1.8
  TOP w0.203: J5.1 R49.2
N86952: length 17
  TOP w0.508: L5.1 20.97,18.62 20.53,18.18 C69.1 C70.1 R49.1 17.93,17.49 17.92,17.47 R48.1 R50.1 ; J5.4 15.23,16.86 15.85,17.47 R50.1 ; R50.1 15.5,18.31 12.77,18.31 R52.1 R53.1 R54.1
N87161: length 1.8
  TOP w0.203: J5.8 R53.2
N87165: length 1.8
  TOP w0.203: J5.9 R54.2
N88472: length 1.8
  TOP w0.203: J5.5 R51.2
N431069: length 1.8
  TOP w0.203: J9.A5 R86.2
N431077: length 1.8
  TOP w0.203: J9.B5 R89.1
N431628: length 10.6
  TOP w0.203: U22.7 11.73,59.51 11.01,58.8 11.01,57.26 R95.2 11.56,57.32 11.87,57.63 12.66,57.63 12.95,57.92 U22.8
  TOP w0.508: R103.1 C102.1 C101.1 R98.2 R95.2
N431648: length 6.2
  TOP w0.203: U22.9 13.45,57.93 13.73,57.66 16.05,57.66 16.56,57.15 16.56,56.14 16.32,55.9 R103.2
N431656: length 2
  TOP w0.203: R100.1 14.45,64.69 U22.25
N431784: length 1.8
  TOP w0.203: U22.26 R101.1
N431936: length 1.9
  TOP w0.203: U22.6 11.18,60.01 C105.1
N433168: length 22.6
  TOP w0.508: v1(12.96,35.62) 12.96,35.37 13.26,35.07 R75.1 R74.1 R72.1 12.54,33.07 12.19,32.72 12.19,31.44 12.55,31.07 R64.1 R68.1 R65.1 C86.1 C87.1 13.42,26.04 L6.1
  ART03 w0.508: v1(13.28,43.11) 14.2,42.2 14.2,36.86 v1(12.96,35.62)
  BOTTOM w0.508: J7.4 14.21,44.05 v1(13.28,43.11)
N433298: length 20.2
  BOTTOM w0.203: v1(13.42,32.07) 14.12,32.07 14.84,31.35 16.99,31.35 17.27,31.63 17.27,32.32 17.04,32.55 13.85,32.55 13.42,32.98 13.42,35.81 12.91,36.32 12.91,41.35 14.51,42.95 J7.5
N435237: length 1.8
  TOP w0.203: R84.2 U19.10
N436006: length 1.8
  TOP w0.203: R87.2 U19.7
N437148: length 2.4
  TOP w0.203: U23.24 19.65,43.12 19.35,42.82 19.35,42.56 18.8,42 R102.2
N438146: length 2.1
  TOP w0.203: U23.20 19.02,45.12 C103.1
N441316: length 2
  TOP w0.203: R96.1 18.75,43.62 U23.23
N449849: length 14.3
  TOP w0.203: R114.1 C113.1 43.71,70.16 45.14,71.58 45.14,77.37 44.34,78.17 42.73,78.17 J12.14
N450407: length 17.4
  TOP w0.203: J12.13 41.22,78.95 44.47,78.95 45.72,77.7 45.72,69.66 45.71,69.65 R118.1 C114.1
N498562: length 1.8
  TOP w0.203: R3.2 J1.A5
N498570: length 2.6
  TOP w0.203: R7.1 64.74,9.42 64.3,8.99 J1.B5
N507684: length 6.9
  TOP w0.203: SW11.2 SW11.1 40.27,2.99 R59.2
N507712: length 3.4
  TOP w0.203: X1.3 33.68,3.51 C77.1 33.68,4.61 34.31,5.24 U16.6
N507720: length 6.3
  TOP w0.203: X1.1 31.99,1.41 32.92,2.33 32.92,3.84 C75.1 32.89,5.05 33.45,5.05 33.81,5.42 U16.5
N507990: length 1.1
  TOP w0.203: R60.1 LED2.1
N508938: length 3.1
  TOP w0.203: U16.11 36.81,5.23 37.11,4.94 38.14,4.94 R60.2
N559792: length 1.1
  TOP w0.508: LED3.1 R81.2
N575792: length 4.6
  TOP w0.203: U28.2 78.25,55.94 78.9,56.58 78.9,56.77 79.2,57.08 C111.1 80.22,57.08 80.79,57.65 X3.2
N575796: length 4.4
  TOP w0.203: U28.1 78.25,54.67 79.27,55.69 C109.1 80.85,55.69 X3.1
N624567: length 2.8
  TOP w0.254: R15.1 R10.2 U2.7
N629111: length 2.8
  TOP w0.254: U4.7 R16.2 R19.1
N634293: length 5.4
  TOP w1.27: D1.2 100.67,8.87 100.3,9.24 F1.1
  TOP w1.524: D1.2 100.67,6.41 SW3.1
N645689: length 10.4
  TOP w1.524: SW2.2 93.43,3.4 96.86,3.4 97.85,4.39 SW3.2
N717871: length 11.1
  TOP w0.203: LED6.4 3.9,72.08 6.79,69.19 10.83,69.19 11.62,68.41 LED7.2
N717951: length 5.5
  TOP w0.203: LED8.4 8.28,76.21 6.37,74.3 LED9.2
N717983: length 15.5
  TOP w0.203: LED9.4 2.24,78.8 0.96,77.52 0.96,71.96 5.54,67.38 LED6.2
N774966: length 1.4
  TOP w0.203: U25.6 R106.2
N1016845: length 4.3
  TOP w0.203: U47.3 85.11,62.52 85.01,62.42 C131.1 ; R136.2 84.66,63.42 85.11,62.97 U47.2
  TOP w0.508: R136.2 C131.1
N1025881: length 2.7
  TOP w0.203: C140.1 R139.2 86.25,65.06 U47.28
N1025885: length 2.9
  TOP w0.203: U47.27 86.7,64.51 R141.2 C142.1
N1032099: length 1.8
  TOP w0.203: U47.12 88.05,59.28 C136.1
N1032103: length 1.6
  TOP w0.203: C137.1 87.72,59.1 87.6,59.22 U47.11
N1032107: length 2.2
  TOP w0.203: U47.15 90.11,60.72 90.46,60.36 90.46,60.07 C138.1
N1032111: length 1.8
  TOP w0.203: U47.14 88.95,59.38 C141.1
N1032115: length 1
  TOP w0.203: C136.2 R138.1
N1032235: length 1
  TOP w0.203: C137.2 R140.1
N1032239: length 1
  TOP w0.203: C138.2 R142.1
N1032243: length 1
  TOP w0.203: C141.2 R147.1
N1033352: length 5.1
  TOP w0.203: U47.17 90.19,61.62 v1(91.05,62.48)
  TOP w0.508: v1(92.85,62.48) R134.1
  ART03 w0.203: v1(91.05,62.48) 91.55,62.98 92.36,62.98 v1(92.85,62.48)
N1035096: length 1
  TOP w0.203: R143.1 C139.2
N1035873: length 9.2
  TOP w0.203: R143.2 97.04,63.68 97.64,63.08 103.09,63.08 104.32,64.31 J15.4
N1036255: length 1
  TOP w0.203: R137.1 C135.2
N1036291: length 6.2
  TOP w0.203: J15.5 100.22,58.74 99.83,59.13 97.31,59.13 R137.2
N1040423: length 1.8
  TOP w0.203: U49.2 96.19,36.81 96.11,36.9 C154.2
N1041149: length 11.4
  TOP w0.356: CP1.1 99.55,36.74 100.13,36.16 U49.6
  TOP w0.508: L8.1 97.5,39.99 97.97,39.53 CP1.1 101.71,39.53 101.92,39.74 C157.1
N1043510: length 2.1
  TOP w0.203: C175.2 96.3,46.98 U51.2
N1043522: length 11.4
  TOP w0.356: U51.6 100.13,46.33 99.55,46.91 CP2.1
  TOP w0.508: C178.1 101.91,49.87 101.66,49.62 CP2.1 98.83,49.62 98.32,50.13 L9.1
N1044805: length 1
  TOP w0.203: R166.2 C155.1
N1045243: length 1
  TOP w0.203: R167.2 C156.1
N1046845: length 1
  TOP w0.203: C176.1 R171.2
N1046905: length 1
  TOP w0.203: R172.2 C177.1
N1047489: length 7.4
  TOP w0.203: J18.1 107.03,37.41 C188.1 106.44,37.48 106.11,37.81 C184.2 104.63,37.81 104.3,37.48 R175.2
N1047504: length 7.2
  TOP w0.203: J18.2 107.03,35.41 C188.2 106.44,35.51 106.12,35.19 C187.2 104.62,35.19 104.3,35.51 R177.2
N1048861: length 7.4
  TOP w0.203: R178.2 104.3,47.74 104.52,47.96 C189.2 106.17,47.96 106.44,47.69 C191.1 107.03,47.65 J20.1
N1048873: length 7.4
  TOP w0.203: R180.2 104.3,45.55 104.5,45.35 C190.2 106.23,45.35 106.44,45.55 C191.2 107.03,45.65 J20.2
N1060725: length 2.8
  TOP w0.203: U6.1 R30.2 R26.2
N1060741: length 2.5
  TOP w0.203: U6.4 22.84,58.54 22.52,58.86 22.52,59.4 22.33,59.59 C39.1
N1060773: length 3.8
  TOP w0.203: C40.1 R27.2 ; R27.2 R34.1 ; R27.2 U6.5
N1061023: length 6.5
  TOP w0.203: SW6.3 SW6.4 27.46,58.99 27,58.54 U6.3
N1068465: length 15.6
  TOP w0.203: U3.89 56.63,51.16 56.13,50.66 47.31,50.66 46.07,51.89 45.21,51.89 44.47,52.63 TP2.1
N1068527: length 12.1
  TOP w0.203: TP1.1 46.13,52.84 46.13,52.44 47.44,51.13 54.64,51.13 55.13,51.62 U3.92
N1069993: length 2.3
  TOP w0.203: U3.73 64.63,54.27 R24.1
N1070009: length 2.1
  TOP w0.203: U3.74 64.13,54.29 64.27,54.43 R22.1
N1070035: length 2.2
  TOP w0.203: U3.75 63.63,54.07 63.27,54.43 R20.1
N1070331: length 2.2
  TOP w0.203: U3.67 67.77,48.38 68.18,47.97 R37.1
N1070335: length 2.1
  TOP w0.203: R38.1 67.85,48.97 67.76,48.88 U3.68
N1070971: length 21.4
  TOP w0.203: U3.80 61.13,51.62 59.75,50.24 47.18,50.24 46.04,51.39 44.5,51.39 43.31,52.57 TP3.1
N1075867: length 3
  TOP w0.203: J2.5 40.25,48.04 40.33,48.11 R5.1 C7.1
N1075871: length 10.7
  TOP w0.508: R8.2 31.81,42.62 32.63,43.44 J2.8 31.6,47.01 31.53,47.08 C8.1 C9.1 29.6,46.37 L1.1
N1075903: length 3.3
  TOP w0.508: R8.1 31.01,41.38 31.01,41.01 J2.1
N1076105: length 3.1
  TOP w0.203: J4.5 41.28,60.69 41.36,60.76 C16.1 R13.1
N1076109: length 10.3
  TOP w0.508: L2.1 29.59,60.08 C17.1 C18.1 31.53,60.76 31.6,60.69 J4.8 32.63,57.76 31.17,56.29 R14.2
N1076141: length 3.3
  TOP w0.508: R14.1 31,55.06 31,54.69 J4.1
N1077806: length 1.6
  TOP w0.203: U8.25 60.48,15.16 60.28,15.37 R46.1
N1077810: length 1.6
  TOP w0.203: R47.1 60.19,14.37 60.48,14.66 U8.26
N1077826: length 9.8
  TOP w0.203: C64.1 65.86,11.82 65.32,11.82 65.06,12.08 U8.7 ; U8.8 66.96,13.66 67,13.7 C65.1
  TOP w0.508: R56.1 C65.1 67.49,12.86 68.44,11.91 R43.2 R45.2 C64.1
N1077882: length 2.2
  TOP w0.203: C66.1 64.88,11.24 64.56,11.56 U8.6
N1077894: length 4
  TOP w0.203: U8.9 66.64,14.16 66.86,14.38 66.86,15.15 67.17,15.47 68.1,15.47 68.31,15.26 R56.2
N1078264: length 1.4
  TOP w0.203: R57.2 U15.6
N1096893: length 2.7
  TOP w0.203: R55.2 49.85,18.42 50.14,18.7 U13.10
N1118220: length 5.7
  ART06 w0.203: v1(55.59,29.35) 54.29,28.05 v1(52.57,28.05)
  BOTTOM w0.203: J24.B48 54.11,28.07 53.88,27.84 52.83,27.84 52.62,28.05 v1(52.57,28.05)
N1153235: length 9.2
  TOP w0.203: U50.8 74.95,73.4 R164.2 ; U50.7 77.02,74.98 76.85,75.15 75.46,75.15 75.14,74.83 R165.2
  TOP w0.508: R173.1 C160.1 C161.1 R164.2 R165.2
N1153239: length 6
  TOP w0.203: R173.2 73.7,70.18 74.01,69.87 75.04,69.87 75.27,70.1 75.27,72.72 75.44,72.9 U50.9
N1153317: length 1.6
  TOP w0.203: R169.1 82.04,71.83 81.97,71.9 U50.25
N1153457: length 1.8
  TOP w0.203: U50.26 82.09,72.4 R170.1
N1153581: length 2.1
  TOP w0.203: U50.6 77.52,75.48 77.23,75.78 C181.1
N1154399: length 1.5
  BOTTOM w0.203: J16.1 R144.2
N1154403: length 16.7
  TOP w0.305: v1(75.93,68.76) 76.44,68.76 76.67,68.53 80.19,68.53 v1(80.68,69.02)
  BOTTOM w0.508: J16.4 80.33,69.37 v1(80.68,69.02) 80.95,68.76 R146.1 R145.1 R144.1 C150.1 C149.1 85.63,68.06 86.07,67.63 L7.1 ; R160.1 v1(75.93,68.76) R157.1
N1154433: length 1.5
  BOTTOM w0.203: J16.8 R159.2
N1154437: length 1.5
  BOTTOM w0.203: J16.9 R160.2
N1154485: length 1.5
  BOTTOM w0.203: J16.5 R155.2
N1166259: length 2.6
  TOP w0.203: J14.3 99.63,78.35 C129.1 R133.2
N1168293: length 2.6
  TOP w0.203: R132.2 C127.2 98.63,78.35 J14.1
N1175177: length 1.8
  BOTTOM w0.203: U41.10 R128.2
N1177861: length 1.6
  TOP w0.203: R130.2 77.33,52.09 U43.6
N1178612: length 1.4
  TOP w0.203: R174.2 U52.6
N1182217: length 1.5
  TOP w0.203: J19.B5 R181.1
N1182225: length 1.5
  TOP w0.203: J19.A5 R179.2
N1236156: length 1.4
  TOP w0.203: U46.6 R131.2
N1258808: length 5.8
  TOP w0.203: R93.2 U21.4 21.48,49 20.76,48.28 20.45,48.28 19.91,47.75 U23.17
N1261388: length 1.4
  TOP w0.203: U21.3 19.19,49 19.19,49 R94.1
N1264101: length 3
  TOP w0.203: U23.1 24.91,41.78 R99.2
N1283602: length 7.1
  TOP w0.203: J17.5 100.22,69.1 99.95,69.37 97.32,69.37 R156.2 R158.2
N1283632: length 11.4
  TOP w0.203: R161.2 95.4,74.76 95.55,74.91 96.58,74.91 97.29,74.2 97.29,73.51 97.74,73.06 101.45,73.06 103.29,74.9 J17.4
N1283819: length 4.3
  TOP w0.203: v1(96.22,69.28) C145.2 C146.1
  ART03 w0.203: v1(95.4,67.28) 95.4,68.46 v1(96.22,69.28)
N1283976: length 4.9
  TOP w0.203: v1(96.22,72.28) C148.1 R161.1 ; R154.1 94.96,71.72 v1(95.4,71.28)
  ART03 w0.203: v1(96.22,72.28) 95.72,71.78 95.72,71.6 v1(95.4,71.28)
N1284993: length 2
  TOP w0.203: R154.2 C143.2 R152.2
N1291698: length 1.8
  TOP w0.203: R176.2 U53.10
N1323900: length 5.8
  TOP w0.203: R183.2 R184.2 89.09,40.34 X4.1 X4.4 89.86,37.87 C192.1
N1324938: length 1.5
  TOP w0.203: X4.3 86.93,37.87 R185.1
N1330493: length 7.4
  TOP w0.203: SW13.1 31.28,23.84 31.44,23.67 33.56,23.67 34.78,24.89 34.78,26.71 34.76,26.74 R71.2
N1330497: length 4.3
  TOP w0.203: R73.2 32.55,26.01 SW13.2
N1342417: length 1.4
  TOP w0.203: U20.6 R91.2
N1355350: length 1.1
  TOP w0.508: Q1.3 17.56,25.63 LED3.2
N1362704: length 1.2
  TOP w0.508: LED4.1 58.01,68.83 R104.2
N1362750: length 1.2
  TOP w0.508: LED4.2 60.42,68.67 60.43,68.69 Q2.3
N1364060: length 1.2
  TOP w0.508: LED5.1 63.01,68.8 R110.2
N1364098: length 1.2
  TOP w0.508: LED5.2 65.3,68.64 65.35,68.69 Q3.3
N1388907: length 4.1
  TOP w0.203: R44.2 40.62,16.01 42.27,14.36 SW8.3
N1391083: length 2
  TOP w0.203: R105.2 SW17.3
N1427381: length 1.5
  TOP w0.203: U42.6 14.87,73.73 15.09,73.94 R129.2
N1454879: length 2.8
  TOP w0.203: R6.2 R4.2 U1.2
N1456438: length 2.8
  TOP w0.203: U2.2 R11.2 R12.2
N1456943: length 2.8
  TOP w0.203: R18.2 R17.2 U4.2
N9731310: length 9.5
  TOP w2.032: SW2.1 85.63,6.5 SW1.2
N9740650: length 1.4
  TOP w0.356: LED1.1 94.02,29.05 R2.1
N9768250: length 5.5
  TOP w0.203: R63.1 37.69,13.39 37.69,11.51 38.14,11.06 U16.20

## Copper pours and planes (outline as drawn; the poured copper is in the pictures)
5V_DC on TOP: 81.1,5.87 82,4.98 90.06,4.98 92.21,2.83 92.21,0.82 91.9,0.51 69.48,0.51 68.68,1.31 68.68,8.53 69.82,9.68 80.52,9.68 81.1,9.1 ; 1 cut-out
5V_IN on TOP: 107.08,29.44 110.53,29.44 110.78,29.69 110.78,32.84 110.53,33.1 102.64,33.1 102.28,32.73 102.28,30.8 102.55,30.54 102.55,30.51 102.67,30.39 106.7,30.39 106.91,30.18 106.91,29.61
5V_IN on TOP: 99.97,11.47 99.32,11.47 99.15,11.31 99.15,7.52 98.24,6.61 93.51,6.61 92.72,7.39 92.72,14.64 93.22,15.14 99.92,15.14 100,15.05 100,11.5
5V_IN on TOP: 107.04,17.73 110.5,17.73 110.75,17.99 110.75,21.14 110.5,21.39 102.61,21.39 102.24,21.02 102.24,19.1 102.51,18.83 102.51,18.8 102.64,18.68 106.67,18.68 106.87,18.48 106.87,17.9
5V_IN on TOP: 107.04,23.57 110.5,23.57 110.75,23.82 110.75,26.97 110.5,27.23 102.61,27.23 102.24,26.86 102.24,24.94 102.51,24.67 102.51,24.64 102.64,24.52 106.67,24.52 106.87,24.31 106.87,23.74
5V_IN on ART03: 96.66,39.36 95.03,40.98 95.03,56.45 98.13,59.55 98.13,71.33 95.95,73.5 81.65,73.5 79.56,71.4 66.55,71.4 66.53,71.39 46.34,71.39 41.37,66.42 21.17,66.42 20.4,65.65 20.4,63.99 30.3,54.1 30.3,51.6 29.43,50.73 13.59,50.73 12.77,51.55 12.77,63.96 12.14,64.59 1.68,64.59 0.73,65.55 0.73,82.94 3.01,85.22 108.87,85.22 111.07,83.02 111.07,82.19 111.25,82.01 111.25,9.79 109.66,8.2 67.45,8.2 66.61,9.04 66.61,11.17 66.61,11.17 66.61,17.83 66.61,19.01 68.41,20.81 96.14,20.81 96.66,21.33
5V_VBUS1 on TOP: 58.76,0.52 58.29,0.99 58.29,8.76 58.61,9.08 67.84,9.08 68.46,8.47 68.46,1.04 67.93,0.52 ; 1 cut-out
5V_VBUS1 on ART06: 83.67,13.45 84.62,12.5 84.62,1.41 83.74,0.53 57.97,0.53 57.48,1.02 57.48,12.92 58.01,13.45
5V_VBUS2 on TOP: 1.35,55.86 0.51,56.71 0.51,65.5 0.55,65.5 1.2,66.15 8.3,66.15 8.91,65.55 8.91,56.5 8.27,55.86 ; 1 cut-out
5V_VBUS2 on ART03: 4.06,0.51 3.58,0.54 3.1,0.64 0.64,3.1 0.56,3.46 0.52,3.82 0.52,63.76 1.03,64.27 12,64.27 12.52,63.75 12.52,15.7 15.61,12.61 30.79,12.61 38.27,5.13 84.85,5.13 85.52,4.46 85.52,1.05 84.97,0.51
GND on TOP: 4.06,0.51 1.55,1.55 0.51,4.06 0.51,81.89 1.55,84.4 4.06,85.44 107.7,85.44 110.21,84.4 111.25,81.89 111.25,4.06 110.21,1.55 107.7,0.51 ; 55 cut-outs
GND on BOTTOM: 4.06,0.51 1.55,1.55 0.51,4.06 0.51,81.89 1.55,84.4 4.06,85.44 107.7,85.44 110.21,84.4 111.25,81.89 111.25,4.06 110.21,1.55 107.7,0.51 ; 42 cut-outs
GND on GND02, GND05, GND07: 4.06,0.51 1.55,1.55 0.51,4.06 0.51,81.89 1.55,84.4 4.06,85.44 107.7,85.44 110.21,84.4 111.25,81.89 111.25,4.06 110.21,1.55 107.7,0.51
VCC_0V9 on TOP: 91.99,21.31 98.99,21.31 99.24,21.57 99.24,25.42 98.99,25.67 91.99,25.67 91.73,25.42 91.73,21.57
VCC_0V9 on ART03: 96.31,21.91 95.69,21.3 87,21.3 86.38,21.91 86.38,47.28 81.77,51.9 79.49,51.9 77.5,49.91 70.62,49.91 69.73,50.79 69.73,54.72 71.02,56.01 85.88,56.01 88.9,52.99 88.9,52.98 90.97,50.91 92.61,49.27 94.69,47.19 94.69,40.78 96.31,39.16
VCC_1V8 on TOP: 90.72,16.21 98.98,16.21 99.24,16.47 99.24,19.59 98.98,19.84 90.72,19.84 90.46,19.59 90.46,16.47
VCC_1V8 on PWR04: 79.17,76.4 79.18,76.39 82.92,76.39 84.89,74.42 84.89,68.61 79.82,63.54 79.82,61 91.15,49.67 91.15,34.26 95.76,29.66 95.76,15.28 93.12,12.64 47.34,12.64 38.01,21.97 19.13,21.97 14.3,26.8 14.3,73.39 14.75,73.84 14.75,74.64 16.51,76.4 ; 1 cut-out
VCC_1V8 on ART06: 91.25,83.92 101.15,83.92 102.48,82.59 102.48,68.14 101.78,67.44 84.52,67.44 83.66,66.58 80.38,66.58 79.33,67.63 79.33,82.23 81.03,83.93 91.25,83.93
VCC_3V3 on TOP: 99.23,31.28 98.97,31.53 89.43,31.53 89.18,31.28 89.18,27.58 89.43,27.33 98.99,27.33 99.23,27.56
VCC_3V3 on PWR04: 4.06,0.51 1.55,1.55 0.51,4.06 0.51,81.89 1.55,84.4 4.06,85.44 107.7,85.44 110.21,84.4 111.25,81.89 111.25,4.06 110.21,1.55 107.7,0.51 ; 1 cut-out
VCC_3V3 on ART06: 4.06,0.51 1.55,1.55 0.51,4.06 0.51,81.89 1.55,84.4 4.06,85.44 107.7,85.44 110.21,84.4 111.25,81.89 111.25,4.06 110.21,1.55 107.7,0.51 ; 36 cut-outs
VDD on PWR04: 43.28,55.53 69.13,55.53 71.43,53.23 71.43,40.72 70.45,39.74 67.63,39.74 66.16,38.26 66.16,34.09 64.22,32.15 64.22,30.76 63.55,30.09 57.43,30.09 57.05,29.71 57.05,29.37 56.64,28.96 45.93,28.96 45,28.03 43.66,28.03 42.66,29.03 42.66,54.91
VDDIO on BOTTOM: 55.9,55.2 56.22,55.52 68.41,55.52 69.16,54.77 69.16,41.56 68.6,41 62.94,41 59.68,44.27 47.43,44.27 45.43,42.26 45.43,39.76 44.71,39.05 41.84,39.05 41.2,39.69 41.2,40.53 41.2,40.53 41.2,52.08 44.32,55.2
AUD_GND on PWR04: 106.22,36.1 103.55,33.43 92.74,33.43 91.48,34.69 91.48,50 86.03,55.45 86.01,55.45 80.23,61.23 80.23,63.33 85.28,68.39 88.94,68.39 94.68,74.12 103.7,74.12 104.89,75.31 106.92,75.31 107.63,74.6 107.63,58.06 106.22,56.65

## Text on the board
User.6: FIGURE | SIZE | 8.0 | 27.56 | 35.43 | 39.37 | 43.31 | 51.18 | 70.87 | 98.43 | 122.05 | 133.86 | 55.12x27.56 | 66.93x27.56 | DRILL CHART: TOP to BOTTOM | ALL UNITS ARE IN MILS | PLATED | QTY | 1481 | 8 | 12 | 28 | 21 | 6 | 3 | 4 | 2
User.8: EAR_OUT | AV_IN | VBUS2 | USB_HOST | MIC | BOOT | SD | JTAG | QSPI | NAND | ON  OFF | ON  ON | OFF OFF | OFF ON | SPKR | PS_RST | DG_RST | PL_LED | PL_KEY | DIP_OSC | NRST | PERIP-SW | CORE_RST | USER | HFP-SW | FLASH | VBUS1 | VGA | PL_UCLK | DC | PMOD | SW1 | SW2 | PS2 | PS_KEY | PS_WS | WIFI_ANA | PS_LED | PL_WS | PS_SD | PWR | WIFI-SW
